# Altium PCB AKS.PcbDoc
Units mil, origin at the board's own origin, x right, y up, seen from the top; angles counter-clockwise.
Board outline 3937.01 x 3937.01 mil, 2 copper layers (Top Layer, Bottom Layer); 90 components, 80 nets, 305 pads, 64 vias.
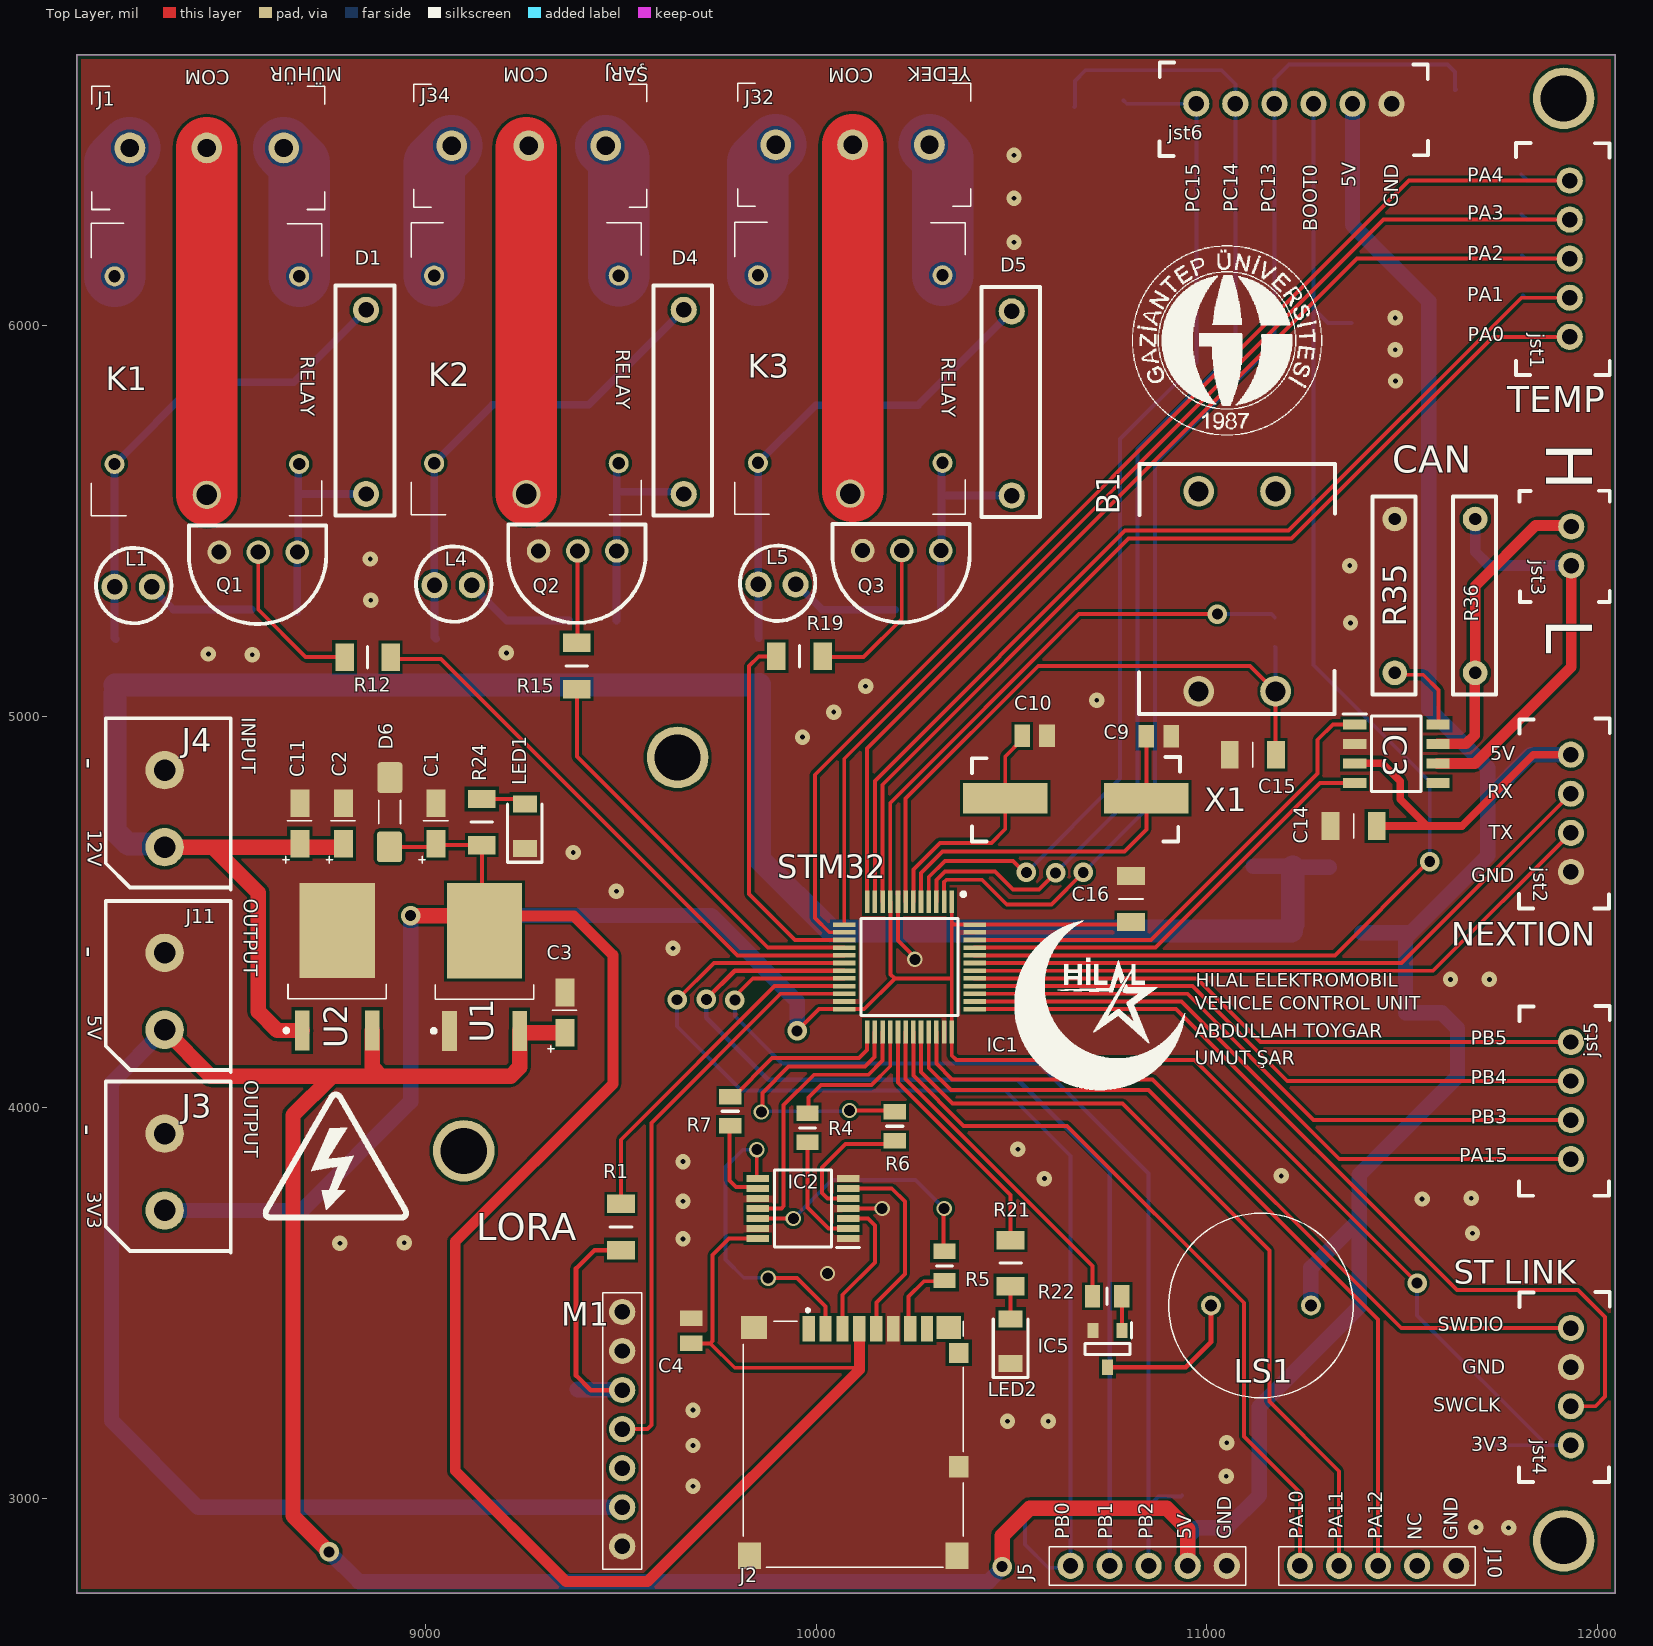
[diagram p0: Top Layer view]
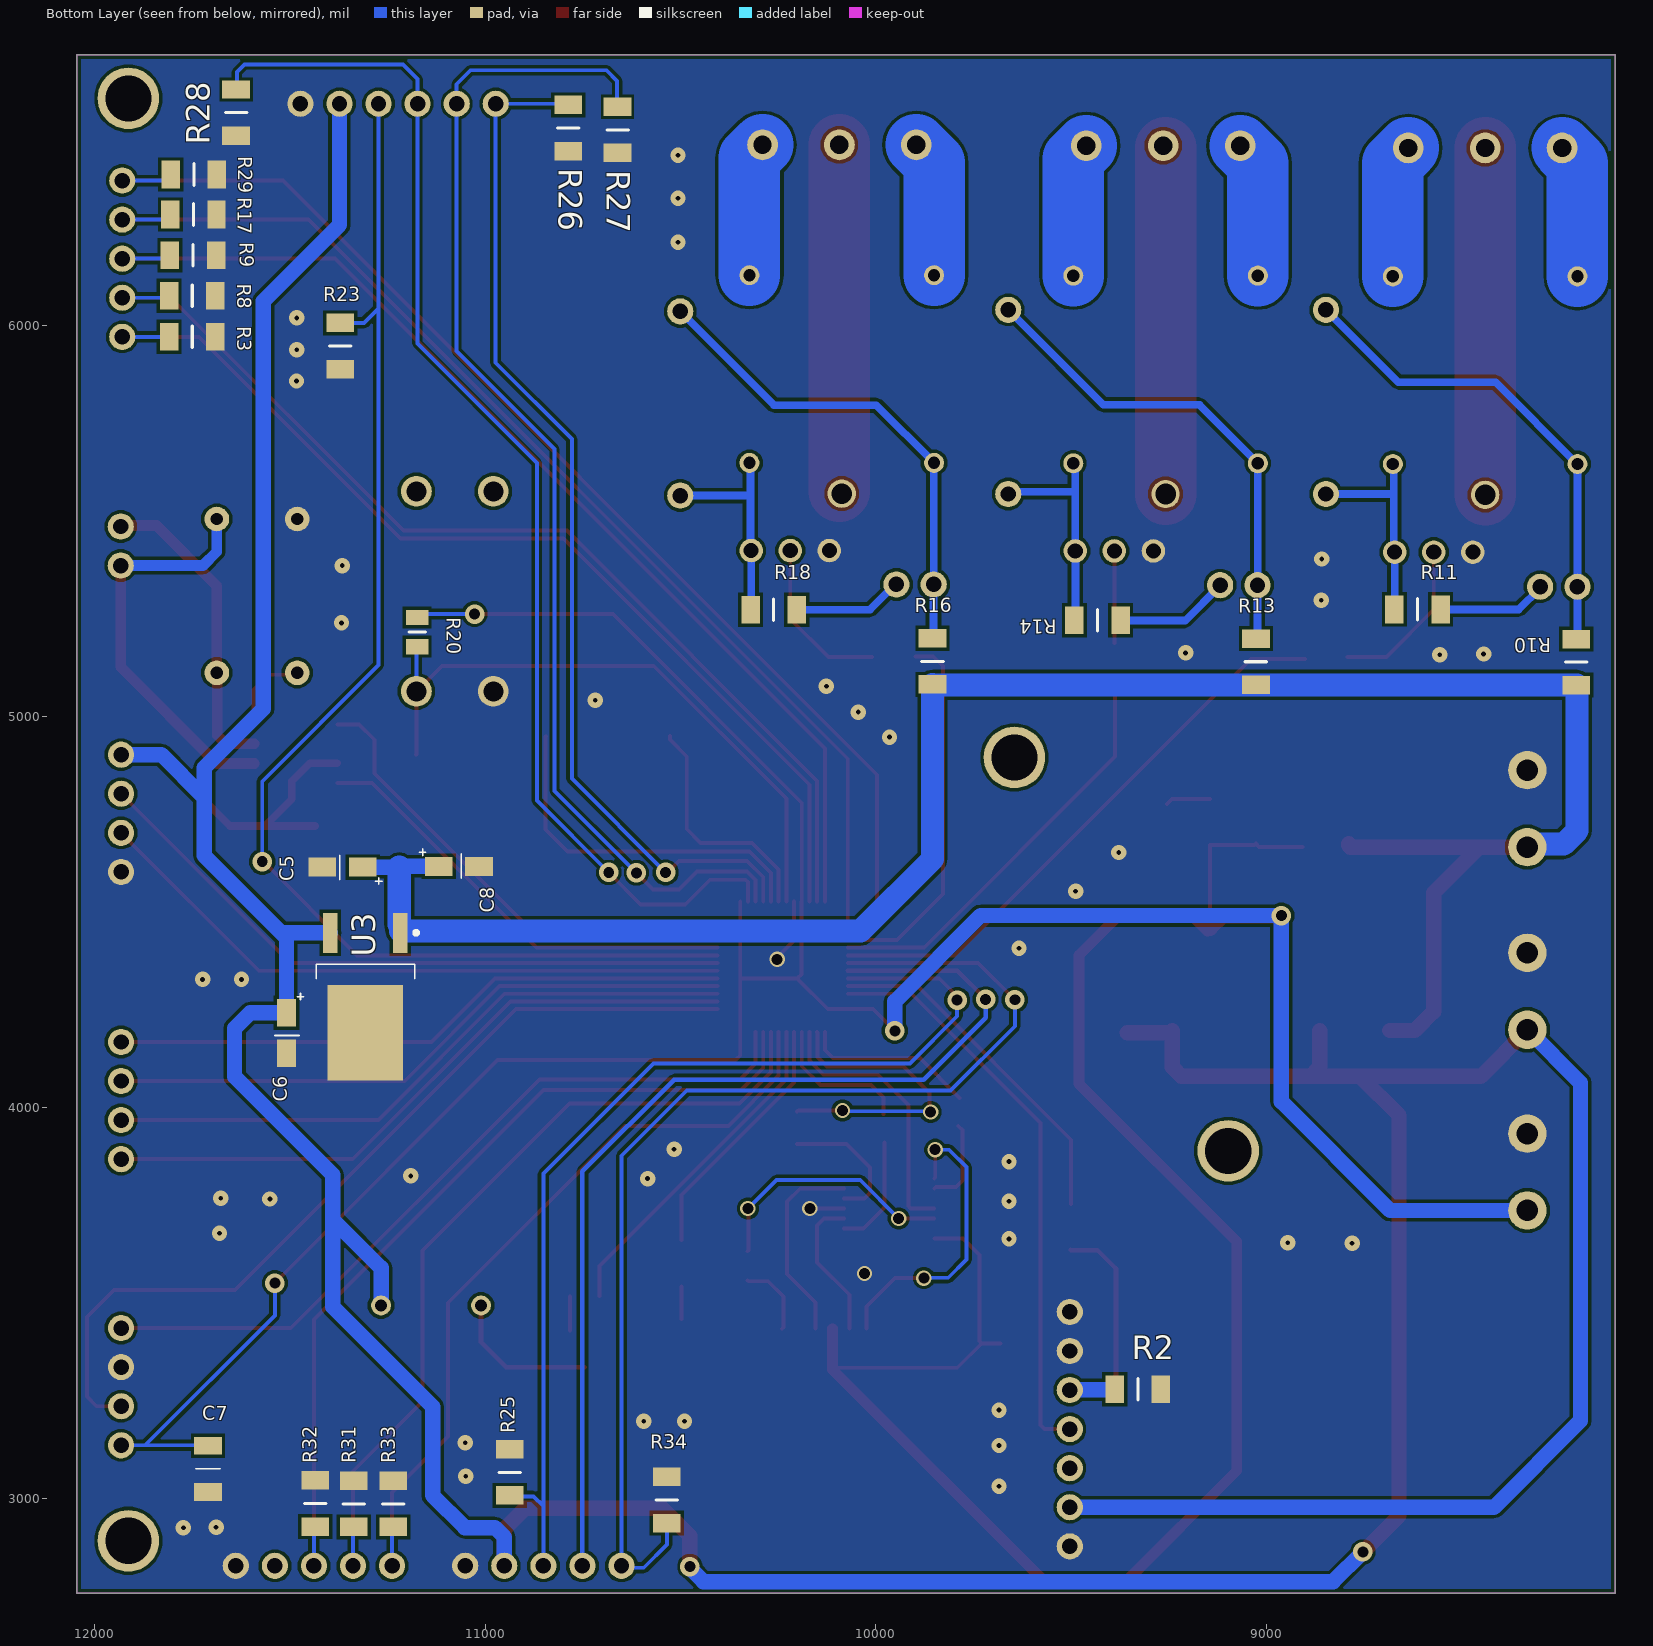
[diagram p1: Bottom Layer view, seen from below]
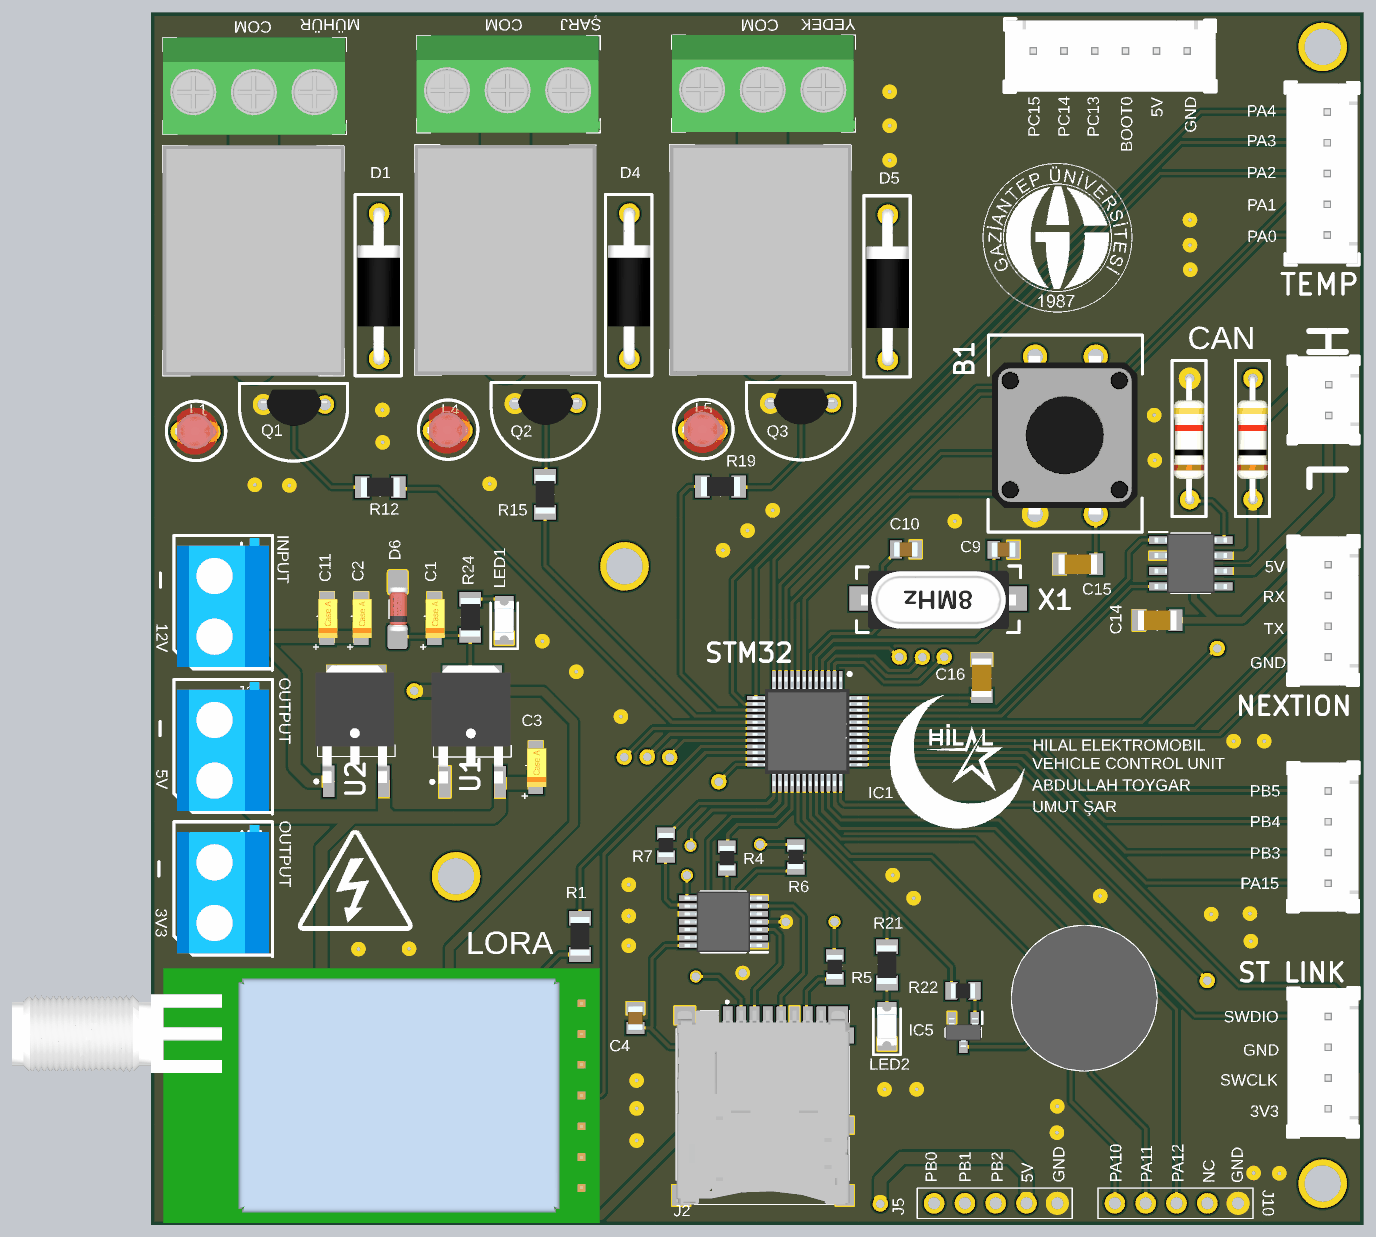
[diagram p2: 3D render of the assembled board from above, using the file's embedded part models]
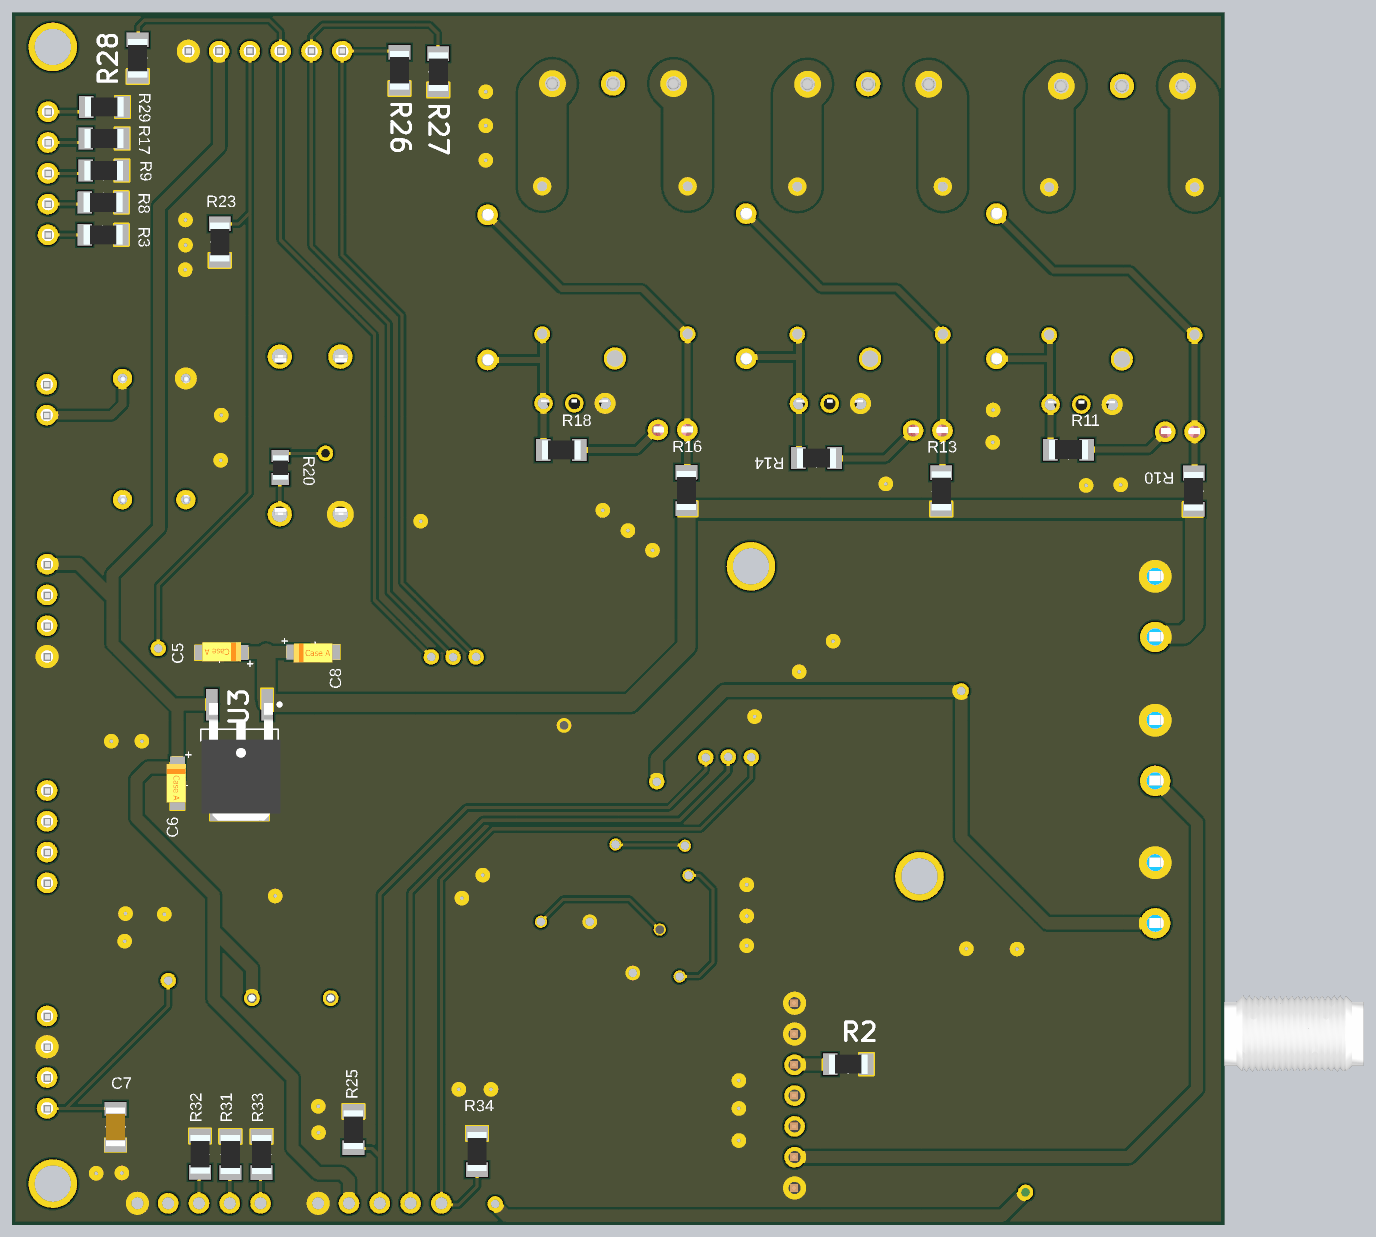
[diagram p3: 3D render of the assembled board from below, using the file's embedded part models]

## Layer stack, top to bottom
Top Solder: solder mask 0.4, Solder Resist, Dk 3.5
Top Layer: signal copper 1.4
Dielectric 1: dielectric 12.6, FR-4, Dk 4.8
Bottom Layer: signal copper 1.4
Bottom Solder: solder mask 0.4, Solder Resist, Dk 3.5

## Board outline
8108.27,2756.89 8108.27,6693.9 12045.28,6693.9 12045.28,2791.34 12045.28,2756.89

## Design rules (kind name [scope] priority, off if disabled: settings)
Clearance [All] p1: gap=7.87 ignorepadtopadclearanceinfootprint=FALSE except(0: Arc-Hole Track-Hole SMDPad-Hole THPad-Hole Via-Hole Fill-Hole Poly-Hole Region-Hole Text-Hole; 11.81: Fill-Fill Fill-Poly Fill-Region Poly-Poly Poly-Region Region-Region)
Height [All] p1: minheight=0 maxheight=4937.01 prefheight=500
HoleSize [All] p1: absolutevalues=TRUE maxlimit=157.48 minlimit=1 maxpercent=80.000 minpercent=20.000
MinimumSolderMaskSliver [All] p1: minsoldermaskwidth=1.57
PlaneClearance [All] p1: clearance=39.37
PlaneConnect [All] p1: planeconnectstyle=Direct reliefexpansion=20 reliefentries=4 reliefconductorwidth=10 reliefairgap=10
PolygonConnect [All] p1: connectstyle=Direct reliefconductorwidth=10 reliefentries=4 polygonreliefangle="90 Angle" airgapwidth=10
RoutingVias [All] p1: holewidth=28 width=50 viastyle="Through Hole" minholewidth=7.87 minwidth=35.43 maxholewidth=28 maxwidth=50
SilkToSolderMaskClearance [IsPad] p1: minsilkscreentomaskgap=3.94 clearancetoexposedcopper=TRUE
SolderMaskExpansion [All] p1: expansion=4.02 istentingtop=FALSE
Width [All] p1: maxlimit=1968.5 minlimit=10 preferedwidth=10 minimp=50.000000 maximp=50.000000 favimp=50.000000
24 further rules are at their usual default settings.

## Components (designator, comment, footprint, x,y, rotation, side; value= is the part's Value field where it differs from the comment)
B1 "BUTON" BUTON 11606.46,5788.27 r180 top
C1 "10 uF - Tantal" C1206-TANT 9025.59,4733.27 r90 top
C2 "10 uF - Tantal" C1206-TANT 8788.39,4733.27 r90 top
C3 "10 uF - Tantal" C1206-TANT 9355.31,4249.02 r90 top
C4 "100uF" CAPC2012X94N 9681.1,3428.15 r90 top
C5 "10 uF - Tantal" C1206-TANT 11372.05,4613.19 r0 bottom
C6 "10 uF - Tantal" C1206-TANT 11506.89,4184.06 r270 bottom
C7 "1206 4.7uF" C1206 11716.54,3050.2 r90 bottom
C8 "10 uF - Tantal" C1206-TANT 11061.02,4619.09 r180 bottom
C9 "22 pF" CAPC2012X94N 10876.97,4949.8 r180 top
C10 "22 pF" CAPC2012X94N 10559.45,4950.79 r180 top
C11 "10 uF - Tantal" C1206-TANT 8677.17,4733.27 r90 top
C14 "1206 10nF" C1206 11400.59,4713.58 r180 top
C15 "1206 0.1uF" C1206 11093.5,4909.45 r0 top
C16 "1206 4.7uF" C1206 10799.21,4508.86 r90 top
D1 "1N4007" "SF-26 DIODE" 8941.93,5512.8 r90 top
D4 "1N4007" "SF-26 DIODE" 9754.92,5512.8 r90 top
D5 "1N4007" "SF-26 DIODE" 10594.49,5508.86 r90 top
D6 "ZENER DIODE 3.3V" "3.3 VOLT ZENER" 8853.35,4865.73 r270 top
IC1 "STM32F103CBT6" QFP50P900X900X160-48N 10239.25,4359.72 r270 top
IC2 "74LVC125APW,118" SOP65P640X110-14N 9966.54,3741.14 r180 top
IC3 "MCP2551-E_SN" SOIC127P600X175-8N 11485.24,4905.51 r0 top
IC5 "MMBT3904" SOT95P240X120-3N 10746.06,3381.89 r270 top
J1 "3X KLEMENS" "3x klemens 5mm" 8817.83,6289.29 r0 top
J2 "5027740891" 5027740891 9813.78,3453.15 r180 top
J3 "KLEMENS 1X2 5mm" "KLEMENS 1x2 - 5mm" 8522.64,3639.76 r90 top
J4 "KLEMENS 1X2 5mm" "KLEMENS 1x2 - 5mm" 8522.64,4569.88 r90 top
J5 "5X HEADER" "5X HEADER" 11099.61,2886.81 r180 top
J10 "5X HEADER" "5X HEADER" 11686.81,2886.81 r180 top
J11 "KLEMENS 1X2 5mm" "KLEMENS 1x2 - 5mm" 8522.64,4102.36 r90 top
J32 "3X KLEMENS" "3x klemens 5mm" 10470.55,6297.24 r0 top
J34 "3X KLEMENS" "3x klemens 5mm" 9641.81,6295.28 r0 top
jst1 "5 pin jst connector" "5 pin jst" 11749.02,6503.15 r270 top
jst2 "4 pin jst connector" 4pin-jst 11794.29,4997.24 r270 top
jst3 "2 pin jst connector" "2 pin jst connector" 11732.28,5674.8 r270 top
jst4 "4 pin jst connector" 4pin-jst 11794.29,3529.72 r270 top
jst5 "4 pin jst connector" 4pin-jst 11794.29,4262.01 r270 top
jst6 "6 pin jst connector" "6 pin jst connecttor" 10848.23,6425.2 r0 top
K1 "SRD-12VDC-SL-C" RELAY 8440.87,5567.91 r90 top
K2 "SRD-12VDC-SL-C" RELAY 9258.86,5569.88 r90 top
K3 "SRD-12VDC-SL-C" RELAY 10087.6,5570.87 r90 top
L1 "led" led 8126.97,5183.07 r0 top
L4 "led" led 8945.87,5187.01 r0 top
L5 "led" led 9774.61,5188.98 r0 top
LED1 "150120BS75000" LEDC3214X78N 9254.92,4719.98 r90 top
LED2 "150120BS75000" LEDC3214X78N 10498.03,3401.57 r90 top
LS1 "254-EMB140-RO" 254EMB140RO 11266.73,3493.11 r180 top
M1 "lora" LORA 9574.8,2824.41 r90 top
Q1 "2N2222A" 2N2222A 8802.44,5536.26 r180 top
Q2 "2N2222A" 2N2222A 9619.96,5539.21 r180 top
Q3 "2N2222A" 2N2222A 10449.49,5540.2 r180 top
R1 "CR1206-F_-2R70ELF" RESC3216X75N 9500.98,3693.9 r270 top
R2 "CR1206-F_-2R70ELF" RESC3216X75N 9329.72,3278.54 r0 bottom
R3 "CR1206 100 OHM" RESC3216X75N 11750,5972.44 r180 bottom
R4 "3.3k ohm" RESC2012X65N 9978.35,3947.83 r270 top
R5 "3.3k ohm" RESC2012X65N 10328.74,3594.49 r270 top
R6 "3.3k ohm" RESC2012X65N 10201.77,3951.77 r270 top
R7 "3.3k ohm" RESC2012X65N 9780.51,3990.16 r90 top
R8 "CR1206 100 OHM" RESC3216X75N 11750,6077.76 r180 bottom
R9 "CR1206 100 OHM" RESC3216X75N 11748.03,6181.1 r180 bottom
R10 "CR1206 60k" RESC3216X75N 8207.68,5139.76 r270 bottom
R11 "CR1206 60k" RESC3216X75N 8614.17,5274.61 r180 bottom
R12 "CR1206 60k" RESC3216X75N 8852.36,5152.56 r0 top
R13 "CR1206 60k" RESC3216X75N 9027.56,5140.75 r270 bottom
R14 "CR1206 60k" RESC3216X75N 9433.07,5247.05 r180 bottom
R15 "CR1206 60k" RESC3216X75N 9387.8,5129.92 r270 top
R16 "CR1206 60k" RESC3216X75N 9855.31,5141.73 r270 bottom
R17 "CR1206 100 OHM" RESC3216X75N 11747.05,6285.43 r180 bottom
R18 "CR1206 60k" RESC3216X75N 10261.81,5273.62 r180 bottom
R19 "CR1206 60k" RESC3216X75N 9957.68,5154.53 r180 top
R20 "3.3k ohm" RESC2012X65N 11174.21,5216.54 r270 bottom
R21 "CR1206 100 OHM" RESC3216X75N 10498.03,3601.38 r270 top
R22 "1K" RESC2012X65N 10745.08,3516.73 r0 top
R23 "CR1206 10k" RESC3216X75N 11371.06,5948.82 r270 bottom
R24 "CR1206 100 OHM" RESC3216X75N 9144.68,4730.31 r90 top
R25 "CR1206 10k" RESC3216X75N 10937.01,3065.94 r270 bottom
R26 "CR1206 100 OHM" RESC3216X75N 10787.4,6506.89 r270 bottom
R27 "CR1206 100 OHM" RESC3216X75N 10661.42,6501.97 r270 bottom
R28 "CR1206 100 OHM" RESC3216X75N 11637.8,6546.26 r270 bottom
R29 "CR1206 100 OHM" RESC3216X75N 11746.06,6387.8 r180 bottom
R31 "CR1206 100 OHM" RESC3216X75N 11336.61,2985.24 r90 bottom
R32 "CR1206 100 OHM" RESC3216X75N 11435.04,2986.22 r90 bottom
R33 "CR1206 100 OHM" RESC3216X75N 11235.24,2985.24 r90 bottom
R34 "CR1206 100 OHM" RESC3216X75N 10535.43,2995.08 r90 bottom
R35 "RESISTOR" "GENERAL RESISTOR" 11416.34,5568.9 r270 top
R36 "RESISTOR" "GENERAL RESISTOR" 11622.05,5568.9 r270 top
U1 "LD108633 3.3V DPAK" DPAK228P972X240-3N 9151.57,4359.25 r90 top
U2 "L7805-DPAK" DPAK228P972X240-3N 8774.61,4360.24 r90 top
U3 "L7805-DPAK" DPAK228P972X240-3N 11307.09,4283.46 r270 bottom
X1 "8M Hz kristal" "8M Hz kristal" 11069.88,4597.44 r0 top
